# Altium PCB HBS V1.0.PcbDoc (part 2 of 4)
Units mil, origin at the board's own origin, x right, y up, seen from the top; angles counter-clockwise.
Board outline 5405 x 4190 mil, 4 copper layers (Top Layer, Internal Plane 1, Internal Plane 2, Bottom Layer), stack 18.2 mil thick; 428 components, 294 nets, 1249 pads, 155 vias.
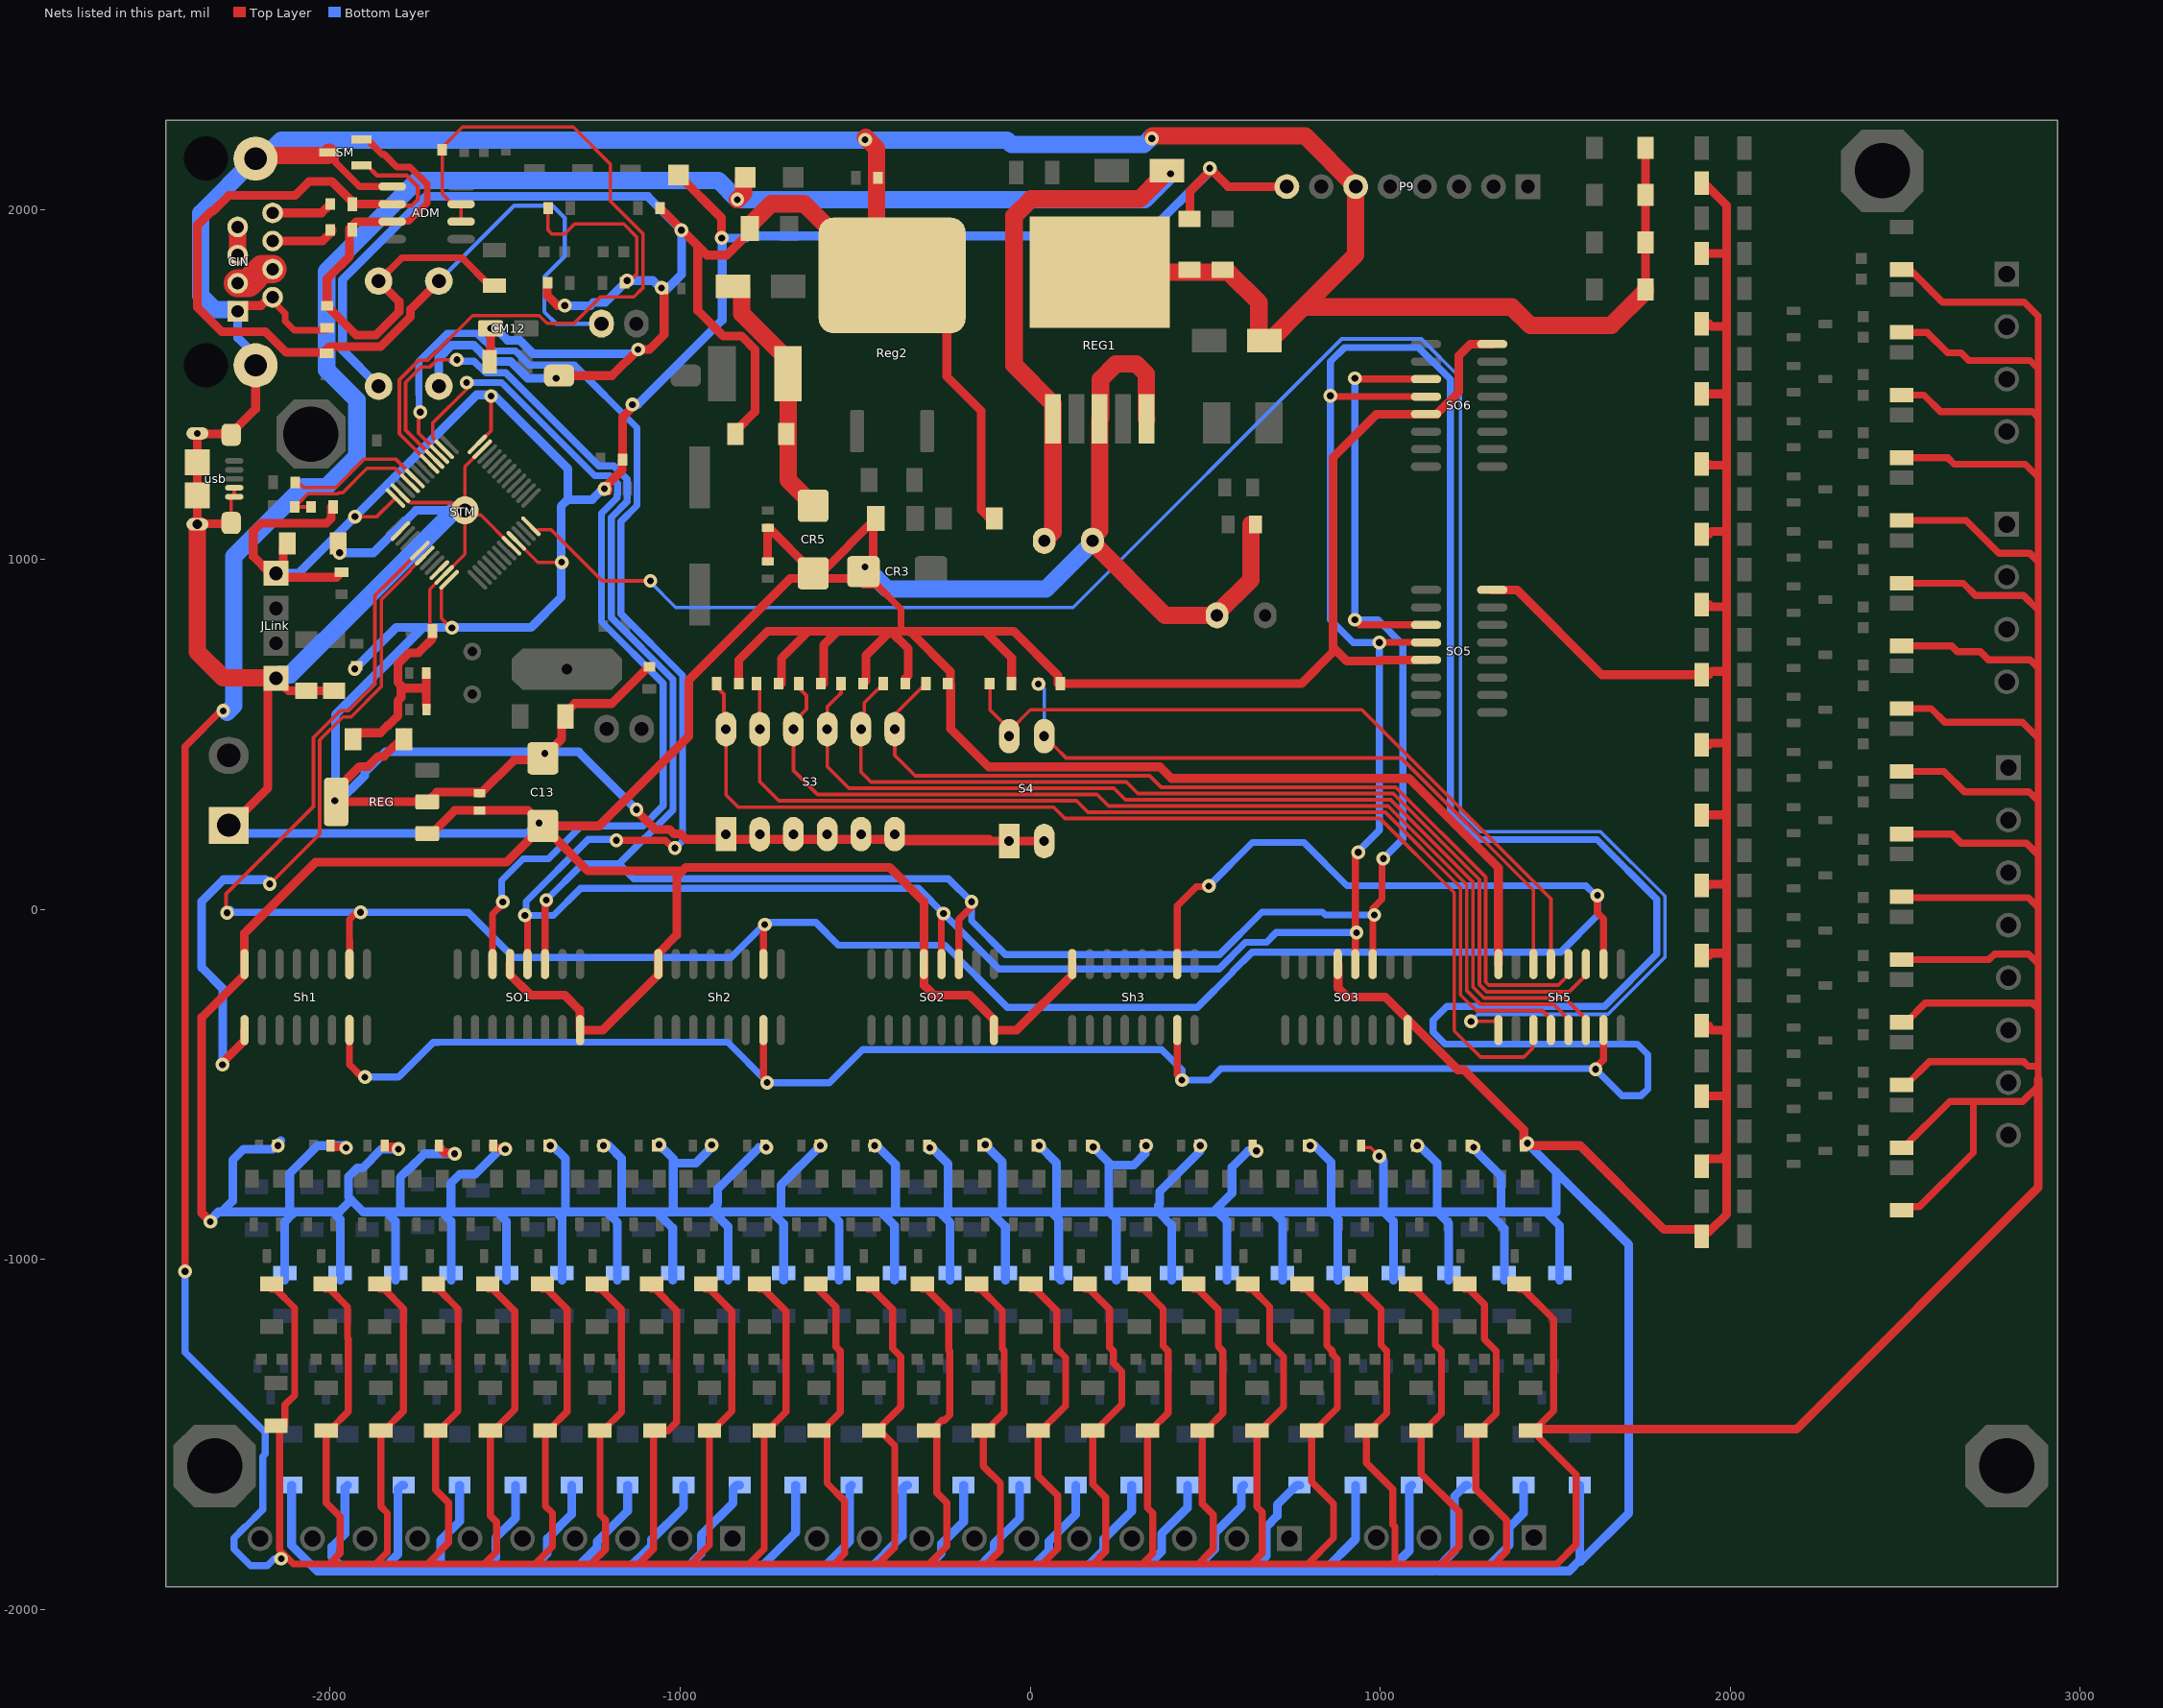
[diagram p4: the nets of this part, all layers, seen from the top]

## Via types
v1: diameter 39.37, hole 19.68, Top Layer to Bottom Layer, 154 vias
v2: diameter 78.74, hole 39.37, Top Layer to Bottom Layer, 1 vias

## Nets (pads, with @x,y where several pads share a name; then routed paths per layer and width w, separated by ;. In a path a pad name is that pad's centre, name@x,y a point inside that pad or via, vN(x,y) a via of type N, cw(c..) or ccw(c..) an arc to the next point about the centre after c; other vN are vias at no path point)
3.3v: 3.3V.1 C2.2 C13.1 DP2.1 DZ2.2 DZ10.2 DZ16.2 JLink.4 P9.8 R1.1 R3.1 R7.2 R15.1 R16.2 R30.1 REG.2 REG.4 S3.1 S3.2 S3.3 S3.4 S3.5 S3.6 S4.1 S4.2 STM.9 STM.24 STM.36 STM.48 | length 11088.1
  Top Layer w10: v1(-1929.47,1122.12) -1866.72,1122.12 STM.36@-1813.48,1175.37 ; STM.48@-1660.37,941.52 -1682.64,919.25 -1682.64,831.92 -1670.99,820.28 -1655.19,804.48 v1(-1652.34,804.48) ; STM.24@-1579.63,1328.48 -1540.58,1367.54 v1(-1540.58,1466.66) ; STM.9@-1468.28,1052.88 -1407.06,991.66 v1(-1338.52,991.66)
  Top Layer w25: DZ10.2@-2122.84,1045.49 -2133.96,1034.37 -2133.96,981.22 JLink.4@-2155,960.17 ; R7.2@-1996.68,1150 -1996.68,1117.66 -2010.72,1103.62 -2196.88,1103.62 -2220,1080.5 -2220,1008.79 -2171.38,960.17 JLink.4@-2155,960.17 ; R16.2@-1967.88,962.99 -1981.88,948.99 -2143.82,948.99 JLink.4@-2155,960.17 ; DZ2.2@-1787.16,504.51 -1787.16,496.63 -1846.79,437 -1862.91,437 -1892.07,407.84 -1916.7,407.84 -1982.89,341.65 REG.4@-1982.89,307.2 REG.2@-1723.04,307.2 -1713.89,316.36 -1695.25,335 -1576.26,335 C2.2@-1572.96,331.7 -1569.42,331.7 -1474.22,426.9 C13.1@-1396.98,426.9 ; C13.1@-1392.43,431.46 -1392.43,433.42 -1338.83,487.02 -1338.83,539.98 DP2.1@-1327.71,551.1 -1327.71,561.93 -1301.44,588.2 -1195.93,588.2 -1091.14,692.99 R30.1@-1088.19,692.99 ; R3.1@-1214.31,1206.73 -1165.69,1255.35 -1165.69,1284.31 R1.1@-1165,1285 -1165,1405.66 v1@-1135,1435.66 ; R3.1@-1205.61,1195.69 R3.1@-1205.61,1201.66 ; v1@-1126.63,283.37 -1071.08,227.82 -1029.79,227.82 -1017.35,215.37 -998.41,215.37 -983.03,200 -580,200 S3.6@-376.35,200 ; 3.3V.1@-1004.56,2098 -881.99,1975.43 -881.99,1918.57 v1(-881.66,1918.25) ; S3.6@-387.09,215 -387.09,210.73 S3.6@-376.35,200 ; -118.34,200 S3.6@-376.35,200 ; S4.2@40,195 S4.1@-60,195 -371.36,195 S3.6@-376.35,200 ; DZ16.2@455.03,1970 456.49,1971.46 456.49,2052.14 v1@517.35,2112.99 ; v1(513.01,2117.32) v1@517.35,2112.99 ; P9.8@733.15,2065 565.34,2065 v1@517.35,2112.99
  Bottom Layer w25: JLink.4@-2155,960.17 -2091.41,960.17 v1(-1929.47,1122.12) -1581.59,1470 -1532.36,1470 -1321.11,1258.75 -1321.11,1170.81 ; v1(-1930,687.04) -1811.37,805.67 -1735.21,805.67 ; v1(-1216.92,1201.66) -1220.81,1201.66 -1251.67,1170.81 -1321.11,1170.81 ; v1(-1136.66,1442.32) -1121.46,1442.32 -880,1683.78 v1@-880,1919.91 ; v1(-1125,285) -1290,450 -1842.54,450 -1900.73,391.81 -1900.73,383.27 -1985,298.99 -1985,555.88 -1735.21,805.67 ; v1(-881.66,1918.25) v1@-880,1919.91 ; v1@514.35,2110 328.35,1924 -806.89,1924 -812.64,1918.25 -878.34,1918.25 v1@-880,1919.91 ; -1735.21,805.67 -1426.26,805.67 -1340.37,891.56 -1340.37,1151.55 -1321.11,1170.81
  other v1: -1986.66,310.66 -1386.66,445.76
8V: CR5.1 DM2.1 DZ20.2 L5.2@-691.78,1530 | length 730.9
  Top Layer w50: DM2.1@-848.74,1780 -832.99,1780 -824.53,1771.54 -824.53,1702.11 -691.78,1569.37 L5.2@-691.78,1530 -691.78,1226.81 -620,1155.02 CR5.1@-620,1153.05
8V_IN: CIN.5 CIN.7 | length 80.3
  Top Layer w50: CIN.5@-2264.45,1869.41 CIN.7@-2264.45,1949.72
24V: 24V.1 CM20.1 DM6.2 REG1.1 RH1.2 RH2.2 RH3.2 RH4.2 RH5.2 RH6.2 RH7.2 RH8.2 RH9.2 RH10.2 RH11.2 RH12.2 RH13.2 RH14.2 RH15.2 RH16.2 RJ1.2 RJ2.2 RJ3.2 RJ4.2 RJ5.2 RJ6.2 RJ7.2 RJ8.2 RJ9.2 RJ10.2 RJ11.2 RJ12.2 RJ13.2 RJ14.2 RJ15.2 RJ16.2 RJ17.2 RJ18.2 RJ19.2 RJ20.2 RJ21.2 RJ22.2 RJ23.2 RJ24.2 RR1.1 RR2.1 RR3.1 RR4.1 RR5.1 RR6.1 RR7.1 RR8.1 RR9.1 RR10.1 RR11.1 RR12.1 RR13.1 RR14.1 RR15.1 RR16.1 RR17.1 RR18.1 RR19.1 RR20.1 RR21.1 RR22.1 RR23.1 RR24.1 | length 44396.9
  Top Layer w20: v1@-2415,-1040.28 -2415,465 v1@-2305,575 ; RR1.1@-2168.68,-1084.92 -2155.88,-1084.92 -2101.5,-1139.3 -2101.5,-1388.07 -2129.38,-1415.95 -2129.38,-1471.38 -2140.05,-1482.05 -2144.42,-1482.05 -2144.42,-1830.58 -2105,-1870 -2002.08,-1870 ; RR2.1@-2013.68,-1084.92 -2000.88,-1084.92 -1950.37,-1135.43 -1950.37,-1225 -1948.21,-1227.16 -1948.21,-1434.55 -1998.66,-1485 -2011.46,-1485 RJ2.2@-2011.46,-1489.37 -2011.46,-1695.16 -1971.61,-1735 -1971.61,-1839.53 -2002.08,-1870 ; RR3.1@-1858.68,-1084.92 -1845.88,-1084.92 -1790.37,-1140.43 -1790.37,-1433.14 -1842.23,-1485 -1855.03,-1485 RJ3.2@-1855.03,-1489.37 -1855.03,-1706.47 -1836.5,-1725 -1836.5,-1836.5 -1870,-1870 ; RR4.1@-1703.68,-1084.92 -1690.88,-1084.92 -1635,-1140.81 -1635,-1434.2 -1685.8,-1485 -1698.6,-1485 RJ4.2@-1698.6,-1489.37 -1698.6,-1658.02 -1661.61,-1695 -1661.61,-1809.29 -1722.32,-1870 ; RR5.1@-1548.68,-1084.92 -1535.88,-1084.92 -1472.89,-1147.91 -1472.89,-1428.52 -1529.37,-1485 -1542.17,-1485 RJ5.2@-1542.17,-1489.37 -1542.17,-1732.61 -1524.78,-1750 -1524.78,-1834.78 -1560,-1870 ; RR6.1@-1393.68,-1084.92 -1380.88,-1084.92 -1322.89,-1142.91 -1322.89,-1434.95 -1372.94,-1485 -1385.74,-1485 RJ6.2@-1385.74,-1489.37 -1385.74,-1704.26 -1365,-1725 -1365,-1820 -1415,-1870 ; RR7.1@-1238.68,-1084.92 -1225.88,-1084.92 -1167.87,-1142.93 -1167.87,-1261.37 -1167.39,-1261.85 -1167.39,-1435.88 -1216.51,-1485 -1229.31,-1485 RJ7.2@-1229.31,-1489.37 -1229.31,-1728.83 -1213.13,-1745 -1213.13,-1828.13 -1255,-1870 ; RR8.1@-1083.68,-1084.92 -1070.88,-1084.92 -1010,-1145.81 -1010,-1465 -1035,-1490 -1067.88,-1490 -1072.88,-1485 -1075.94,-1488.07 -1075.94,-1827.08 -1118.86,-1870 ; RR9.1@-928.68,-1084.92 -915.88,-1084.92 -852.89,-1147.91 -852.89,-1434.24 -903.65,-1485 -916.45,-1485 RJ9.2@-916.45,-1489.37 -916.45,-1816.45 -970,-1870 ; RR10.1@-773.68,-1084.92 -760.88,-1084.92 -697.89,-1147.91 -697.89,-1435.67 -747.22,-1485 -760.02,-1485 RJ10.2@-760.02,-1489.37 -760.02,-1826.97 -803.05,-1870 ; RR11.1@-596.52,-1084.92 -605.88,-1084.92 -555.21,-1135.59 -555.21,-1249.37 -542.74,-1261.85 -542.74,-1436.95 -590.79,-1485 -580.12,-1495.67 -580.12,-1639.88 -530,-1690 -530,-1840 -560,-1870 ; RR12.1@-463.68,-1084.92 -450.88,-1084.92 -392.87,-1142.93 -392.87,-1254.64 -370,-1277.51 -370,-1420.64 -434.36,-1485 -387.06,-1532.31 -387.06,-1822.9 -434.15,-1870 ; RR13.1@-308.68,-1084.92 -295.88,-1084.92 -232.89,-1147.91 -232.89,-1259.37 -230,-1262.26 -230,-1445 -244.14,-1459.14 -252.07,-1459.14 -277.93,-1485 -267.26,-1495.67 -267.26,-1666.68 -238.28,-1695.65 -238.28,-1819.29 -288.99,-1870 ; RR14.1@-153.68,-1084.92 -140.88,-1084.92 -80,-1145.81 -80,-1255.19 -74.25,-1260.93 -74.25,-1437.75 -121.5,-1485 -134.3,-1485 RJ14.2@-134.3,-1489.37 -134.3,-1590.7 -85,-1640 -85,-1831 -124,-1870 ; RR15.1@1.32,-1084.92 14.12,-1084.92 76.17,-1146.97 76.17,-1255.19 101.38,-1280.4 101.38,-1418.55 34.93,-1485 22.13,-1485 RJ15.2@22.13,-1489.37 22.13,-1618.37 78.76,-1675 78.76,-1826.24 35,-1870 ; RR16.1@156.32,-1084.92 169.12,-1084.92 227.11,-1142.91 227.11,-1250.88 238.08,-1261.85 238.08,-1296.27 261.8,-1320 261.8,-1414.55 191.36,-1485 178.56,-1485 RJ16.2@178.56,-1489.37 178.56,-1642.6 215.96,-1680 215.96,-1834.04 180,-1870 ; RR17.1@311.32,-1084.92 324.12,-1084.92 379.63,-1140.43 379.63,-1247.23 394.24,-1261.85 394.24,-1438.55 347.79,-1485 334.99,-1485 RJ17.2@334.99,-1489.37 334.99,-1709.99 350,-1725 350,-1840 320,-1870 ; RR18.1@466.32,-1084.92 479.12,-1084.92 537.11,-1142.91 537.11,-1248.55 550.4,-1261.85 550.4,-1438.81 504.22,-1485 491.42,-1485 RJ18.2@491.42,-1489.37 491.42,-1698.32 523.1,-1730 523.1,-1826.9 480,-1870 ; RR19.1@621.32,-1084.92 634.12,-1084.92 684.25,-1135.06 684.25,-1238.62 723.72,-1278.09 723.72,-1421.93 660.65,-1485 647.85,-1485 RJ19.2@647.85,-1489.37 647.85,-1706.91 663.01,-1722.07 663.01,-1839.24 632.26,-1870 ; RR20.1@776.32,-1084.92 789.12,-1084.92 847.11,-1142.91 847.11,-1246.23 862.73,-1261.85 862.73,-1270.25 877.48,-1285 877.48,-1424.59 817.08,-1485 804.28,-1485 RJ20.2@804.28,-1489.37 804.28,-1635.96 866.64,-1698.32 866.64,-1796.12 792.76,-1870 ; RR21.1@931.32,-1084.92 944.12,-1084.92 1002.11,-1142.91 1002.11,-1245.06 1018.89,-1261.85 1018.89,-1439.61 973.51,-1485 960.71,-1485 RJ21.2@960.71,-1489.37 960.71,-1581.85 1036.14,-1657.27 1036.14,-1756.81 1042.35,-1763.03 1042.35,-1862.56 1034.91,-1870 ; RR22.1@1086.32,-1084.92 1099.12,-1084.92 1157.11,-1142.91 1157.11,-1243.9 1175.06,-1261.85 1175.06,-1439.88 1129.94,-1485 1117.14,-1485 RJ22.2@1117.14,-1489.37 1117.14,-1612.14 1225,-1720 1225,-1820 1175,-1870 ; RR23.1@1241.32,-1084.92 1254.12,-1084.92 1297.77,-1128.58 1297.77,-1228.4 1331.22,-1261.85 1331.22,-1440.14 1286.37,-1485 1273.57,-1485 RJ23.2@1273.57,-1489.37 1273.57,-1657.27 1361.3,-1745 1361.3,-1833.7 1325,-1870 ; RR24.1@1396.32,-1084.92 1409.12,-1084.92 1495,-1170.81 1495,-1432.8 1453.46,-1474.33 1453.46,-1485 1453.46,-1508.46 1560,-1615 1560,-1815 1505,-1870 1325,-1870 ; RH1.2@2490,-860 2502.8,-860 2513.46,-849.33 2540.36,-849.33 2695,-694.7 2695,-548.81 ; RH2.2@2490,-680.8 2495.3,-680.8 2627.29,-548.81 2695,-548.81 ; RH3.2@2490,-501.61 2502.8,-501.61 2569.4,-435 2838.12,-435 2851.1,-447.98 2880,-447.98 ; RH4.2@2490,-322.41 2502.8,-322.41 2557.21,-268 2863,-268 2880,-285 ; RH5.2@2490,-143.21 2739.33,-143.21 2755,-127.55 2852.55,-127.55 2880,-155 ; RH6.2@2490,35.98 2492.45,33.53 2851.47,33.53 2880,5 ; RH7.2@2490,215.18 2633.52,215.18 2660,188.71 2846.29,188.71 2880,155 ; RH8.2@2490,394.38 2610.62,394.38 2669,336 2854,336 2880,310 ; RH9.2@2490,573.57 2574.27,573.57 2612.84,535 2834.5,535 2880,489.5 ; RH10.2@2490,752.77 2632.07,752.77 2648.55,736.28 2715,736.28 2738.14,713.14 2856.86,713.14 2880,690 ; RH11.2@2490,931.97 2665.99,931.97 2701.27,896.69 2838.31,896.69 2880,855 ; RH12.2@2490,1111.16 2673.84,1111.16 2767.44,1017.56 2855.55,1017.56 2880,993.11 ; RH13.2@2490,1290.36 2621.64,1290.36 2640,1272 2843,1272 2880,1235 ; RH14.2@2490,1469.56 2490.2,1469.36 2553.46,1469.36 2601.12,1421.71 2863.29,1421.71 2880,1405 ; RH15.2@2490,1648.75 2562.39,1648.75 2621.15,1590 2660,1590 2681.69,1568.31 2856.69,1568.31 2880,1545 ; RH16.2@2490,1838.9 2502.8,1838.9 2606.7,1735 2840,1735 2880,1695 2880,1545 ; 2880,-504.55 2835.74,-548.81 2695,-548.81 ; 2880,-485 2880,-447.98 ; -2002.08,-1870 -1870,-1870 ; -1870,-1870 -1722.32,-1870 ; -1722.32,-1870 -1560,-1870 ; -1560,-1870 -1415,-1870 ; -1415,-1870 -1255,-1870 ; -1255,-1870 -1118.86,-1870 ; -1118.86,-1870 -970,-1870 ; -970,-1870 -803.05,-1870 ; -803.05,-1870 -560,-1870 ; -560,-1870 -434.15,-1870 ; -434.15,-1870 -288.99,-1870 ; -288.99,-1870 -124,-1870 ; -124,-1870 35,-1870 ; 35,-1870 180,-1870 ; 180,-1870 320,-1870 ; 320,-1870 480,-1870 ; 480,-1870 632.26,-1870 ; 632.26,-1870 792.76,-1870 ; 792.76,-1870 1034.91,-1870 ; 1034.91,-1870 1175,-1870 ; 1175,-1870 1325,-1870 ; 2880,-447.98 2880,-285 ; 2880,-285 2880,-155 ; 2880,-155 2880,5 ; 2880,5 2880,155 ; 2880,155 2880,310 ; 2880,310 2880,489.5 ; 2880,489.5 2880,690 ; 2880,690 2880,855 ; 2880,855 2880,993.11 ; 2880,993.11 2880,1235 ; 2880,1235 2880,1405 ; 2880,1405 2880,1545
  Top Layer w25: RJ24.2@1430,-1485 1453.46,-1485 2188.9,-1485 2880,-793.9 2880,-504.55 2880,-485
  Top Layer w50: v1(-836.66,2027.82) -819.01,2045.48 -819.01,2086.6 24V.1@-814.48,2091.13 ; CM20.1@40,1052.88 64.69,1077.57 REG1.1@64.69,1401.06 64.69,1444.57 -45.89,1555.14 -45.89,1981.66 2.02,2029.57 311.99,2029.57 DM6.2@375.14,2092.72
  Bottom Layer w20: v1@-2415,-1030 -2415,-1265.24 -2185.83,-1494.42 -2185.83,-1556.36 -2192.53,-1563.06 -2192.53,-1714.3 -2244.1,-1765.88 ; -2244.53,-1765.44 -2275,-1795.91 -2275,-1827.64 -2227.64,-1875 -2179.67,-1875 -2159.67,-1855 v1(-2140,-1855)
  Bottom Layer w50: v1@-2294.93,562.78 -2275.37,582.33 -2275.37,1008.79 -2076.61,1207.56 -2011.34,1207.56 -1923.7,1295.2 -1923.7,1454.88 -2010.37,1541.55 -2010.37,1823.21 -1751.46,2082.13 -890.96,2082.13 v1(-836.66,2027.82) 327.2,2027.82 v1(401.04,2101.66)
  other v1: -2414.79,-1034.24 -2305.92,567.33
24V_IN: CIN.3 CIN.4 | length 116.6
  Top Layer w80: CIN.3@-2264.45,1789.09 -2234.53,1789.09 -2194.37,1829.25 CIN.4@-2164.45,1829.25
485+_Comm: ADM.6 JP1.2 RT2.2 RT4.2 RV2.2 SM.1 | length 2951.3
  Top Layer w12: SM.1@-1910.94,2125.31 -1894.21,2125.31 -1865.94,2097.05 -1781.92,2097.05 -1750,2065.13 -1750,2027.77 -1767.77,2010 -1817.89,2010 ADM.6@-1822.89,2015
  Top Layer w25: ADM.6@-1822.89,2015 RT4.2@-1936.72,2015 -1936.72,2020.91 -1995.81,2080 -2060,2080 -2100.22,2039.78 -2290.41,2039.78 -2335.87,1994.33 -2340,1994.33 -2379.5,1954.83 -2379.5,1720 -2309.5,1650 -2184.66,1650 -2126.37,1591.71 -2018.54,1591.71 -2001.89,1608.37 -1855.59,1608.37 -1770.33,1693.63 -1770.33,1714.39 RV2.2@-1689.71,1795.02
  Bottom Layer w12: RV2.2@-1689.71,1795.02 -1474.35,2010.38 -1365.06,2010.38 -1330,1975.31 -1330,1865.76 -1388.04,1807.72 -1388.04,1706.96 -1354.55,1673.48 JP1.2@-1225,1673.48
485-_Comm: ADM.7 RM1.1 RT1.1 RT3.2 RV1.2 SM.2 | length 1564.9
  Top Layer w20: SM.2@-1910.94,2200.12 -1894.21,2200.12 -1851.5,2157.4 -1846,2157.4 -1809.52,2120.92 -1772.03,2120.92 -1723.04,2071.93 -1723.04,2018.23 -1775.58,1965.69 -1822.2,1965.69 ADM.7@-1822.89,1965 ; RV1.2@-1861.66,1795 -1795.17,1861.49 -1623.33,1861.49 -1543.61,1781.77 RM1.1@-1530.81,1781.77
  Top Layer w25: RV1.2@-1861.66,1795 -1803.21,1736.55 -1803.21,1707.24 -1869.21,1641.24 -1926.01,1641.24 RT1.1@-2008.68,1723.91 -2008.68,1801.88 -1945,1865.56 -1945,1941.55 -1945,1945.09 -1925.09,1965 ADM.7@-1822.89,1965
A11: R5.1 STM.32 | length 410.3
  Top Layer w10: R5.1@-2101.01,1230.65 -2075.92,1205.56 -1984.44,1205.56 -1903.28,1286.72 -1813.48,1286.72 STM.32@-1757.8,1231.04
A12: R6.1 R7.1 STM.33 | length 451
  Top Layer w10: R7.1@-2045.67,1150 R6.1@-2101.01,1150 -2101.01,1154.92 -2094.2,1161.73 -2089.28,1161.73 -2063.32,1187.69 -1977.04,1187.69 -1974.39,1190.33 -1964.53,1190.33 -1894.63,1260.23 -1814.82,1260.23 STM.33@-1771.72,1217.12
ChA: CIN.8 RT4.1 | length 177.2
  Top Layer w25: CIN.8@-2164.45,1989.88 -2024.83,1989.88 -2003.94,2010.77 -2000.4,2010.77 -1999.71,2011.46 RT4.1@-1999.71,2015
ChB: CIN.6 RT3.1 | length 185.8
  Top Layer w25: CIN.6@-2164.45,1909.57 -2022.43,1909.57 -1993.99,1938 RT3.1@-1993.99,1941.55
"Clock Pin2": SO1.11 SO2.11 SO3.11 SO5.11 SO6.11 STM.28 | length 7498.5
  Top Layer w10: STM.28@-1702.12,1286.72 -1784.71,1369.31 -1784.71,1505.63 -1740.34,1550 -1714.81,1550 -1694.81,1570 -1654.69,1570 v1@-1652.34,1567.66
  Top Layer w20: SO1.11@-1386.23,-156.02 -1386.23,8.77 v1@-1375,20 ; SO2.11@-203.73,-156.02 -203.73,-28.73 v1@-160,15 ; v1@925,1516.62 926.62,1515 SO6.11@1131.02,1515 ; v1@930,823.78 941,812.78 SO5.11@1131.02,812.78 ; SO3.11@978.77,-156.02 978.77,2.81 1005.32,29.36 1005.32,141.41 v1(1008.91,145)
  Bottom Layer w20: v1@-1652.34,1567.66 v1@-1638.1,1567.66 ; v1(-1638.1,1570) -1634.39,1566.29 -1589.15,1566.29 -1555.73,1532.87 -1498.58,1532.87 -1232.8,1267.09 -1189.82,1267.09 -1151.49,1228.76 -1151.49,1174.56 -1152.55,1173.5 -1152.55,1166.48 -1151.49,1165.42 -1197.13,1119.79 -1197.13,833.36 -1020.88,657.11 -1020.88,284.12 -1175,130 ; v1(-1382.67,26.66) -1279.33,130 -1175,130 ; v1(927.68,1517.32) v1(927.68,827.32) 993.17,827.32 1065,755.49 1065,201.09 v1(1008.91,145) ; v1(983.02,-15.93) 843.2,-15.93 835,-7.74 662.28,-7.74 540.72,-129.3 -70.95,-129.3 -167.67,-32.58 v1(-167.67,21.66) -233.88,87.87 -1132.87,87.87 -1175,130
ClockEn: Sh1.15 Sh2.15 Sh3.15 Sh5.15 SO1.12 SO2.12 SO3.12 SO5.12 SO6.12 STM.27 | length 16431.8
  Top Layer w10: v1(-1742.88,1420.86) -1747.56,1416.18 -1747.56,1360 STM.27@-1688.21,1300.64
  Top Layer w20: Sh1.15@-1945,-345 -1945,-443.38 v1@-1908.38,-480 ; SO1.12@-1436.23,-156.02 v1@-1436.23,-23.77 ; v1(-1182.5,197.44) -1042.37,197.44 -1020.24,175.32 v1(-1015,175.32) ; v1@-762.5,-478.92 Sh2.15@-762.5,-345 ; SO2.12@-253.73,-156.02 v1@-253.73,-13.73 ; Sh3.15@420,-345 420,-473.34 v1@433.9,-487.24 ; v1@855,1465 SO6.12@1131.02,1465 ; SO3.12@928.77,-156.02 928.77,162.39 v1@935,168.62 ; v1@1002.18,762.78 SO5.12@1131.02,762.78 ; v1(1615.5,-456.98) 1615.5,-451.74 1637.74,-429.49 Sh5.15@1637.74,-345
  Bottom Layer w20: v1(-1900.7,-479.11) -1804.85,-479.11 -1705.74,-380 -1691.5,-380 -1691.13,-379.63 -864.27,-379.63 v1@-750.28,-493.62 ; v1(-1742.88,1420.86) -1746.2,1424.18 -1746.2,1470.55 -1746.95,1471.31 -1746.95,1565.17 -1666.3,1645.83 -1581.11,1645.83 -1530.81,1595.53 -1471.11,1595.53 -1430.46,1554.88 -1302.34,1554.88 -1123.62,1376.16 -1123.62,1153.88 -1169.25,1108.24 -1169.25,844.9 -993,668.66 -993,195.35 -1014.02,174.34 v1(-1015,175.32) ; v1@-1185.18,200.12 -1262.33,200.12 -1440.19,22.25 -1440.19,-13.4 v1(-1443.9,-17.11) -1362.11,-17.11 -1285,60 -319.35,60 v1(-247.67,-11.68) -89.35,-170 539.43,-170 615.18,-94.25 675,-94.25 702.96,-66.29 v1(932.48,-66.29) ; v1(-751.66,-495) -573.48,-495 -478.97,-400.49 375.49,-400.49 433.9,-458.9 433.9,-487.24 v1(433.47,-487.68) 512.63,-487.68 545.31,-455 1607.63,-455 v1@1620,-467.37 ; v1(937.33,162.8) 937.33,165.6 997.68,225.95 v1(997.68,762.32) 922.68,762.32 857.68,827.32 v1(857.68,1467.32) 857.68,1565.5 897.06,1604.88 1110.18,1604.88 1200.43,1514.63 1200.43,275.89 1277.04,199.28 1619.77,199.28 1790.37,28.68 1790.37,-127.3 1640.55,-277.13 1190.42,-277.13 1151,-316.55 1151,-350.43 1185.31,-384.74 1734.63,-384.74 1765,-415.12 1765,-512.82 1745.32,-532.5 1691.02,-532.5 v1(1615.5,-456.98)
ClockPin: Sh1.2 Sh2.2 Sh3.2 Sh5.2 STM.42 | length 7597.9
  Top Layer w10: v1@-2297.6,-7.1 -2297.6,44.61 -2048.08,294.13 -2048.08,491 -1971.21,567.87 -1947.73,567.87 -1872.18,643.42 -1872.18,896.74 -1830,938.92 STM.42@-1743.88,1025.04
  Top Layer w20: -1944.31,-88.51 -1944.31,-155.33 Sh1.2@-1945,-156.02 -1945,-28.9 v1@-1921.1,-5 ; Sh2.2@-762.5,-156.02 v1@-762.5,-38.81 ; Sh3.2@420,-156.02 420,10 475,65 v1@504.23,65 ; v1(1620.5,40.06) 1620.5,-9.62 1637.74,-26.87 Sh5.2@1637.74,-156.02
  Bottom Layer w20: v1@-2286.12,0 -2277.79,-8.34 v1(-1913.12,-8.34) -1605.6,-8.34 -1476.81,-137.13 -854.7,-137.13 -754.73,-37.16 -612.84,-37.16 -547.87,-102.13 -243.13,-102.13 -65,-280.26 477.45,-280.26 578.63,-179.08 578.63,-177.41 633.91,-122.13 1515.81,-122.13 1620.5,-17.43 v1(1620.5,40.06) v1@1615.86,40.06 ; v1(510.34,66.66) 634.8,191.13 781.91,191.13 905.16,67.87 1587.45,67.87 1615.26,40.06 v1@1615.86,40.06 ; v1@1618.18,37.74 v1@1615.86,40.06
  other v1: -758.41,-43.34 -2294.93,-9.77
CS485_Comm: ADM.2 ADM.3 R'16.1 STM.29 | length 2288.6
  Top Layer w10: STM.29@-1716.04,1272.8 -1802.58,1359.34 -1802.58,1513.03 -1746.37,1569.25 -1720.83,1569.25 -1593.59,1696.5 -1402.5,1696.5 -1380.57,1674.57 -1303.3,1674.57 -1227.87,1750 -1132.13,1750 -1106.73,1775.4 -1106.73,1930.7 -1200,2023.97 -1200,2130 -1305,2235 -1621.9,2235 -1680,2176.9 -1680,2043.79 -1651.21,2015 ADM.3@-1626.04,2015 ADM.2@-1626.04,1965
D0: STM.46
D6: STM.38
D24: R44.2 S3.12 Sh5.11 | length 3258.5
  Top Layer w10: R44.2@-890.26,636.03 -890.26,630 -875.33,615.07 -875.33,520.96 S3.12@-869.37,515 -869.37,326.77 -835,292.4 65.99,292.4 98.87,259.53 999.86,259.53 1211.79,47.6 1211.79,-346.87 1286.77,-421.85 1410.45,-421.85 1435.14,-397.16 1435.14,-347.61 Sh5.11@1437.74,-345 Sh5.11@1437.74,-313.5
D25: R45.2 S3.11 Sh5.12 | length 3036.7
  Top Layer w10: R45.2@-782.45,645 -772.91,635.46 S3.11@-772.91,515 -772.91,365.12 -718.07,310.28 131.93,310.28 164.81,277.4 1014.81,277.4 1229.67,62.55 1229.67,-244 1274.49,-288.82 1463.06,-288.82 1487.74,-313.5 Sh5.12@1487.74,-345
D26: R46.2 S3.10 Sh5.13 | length 2973.5
  Top Layer w10: R46.2@-658.45,630 -639.27,610.82 -639.27,571.87 -676.46,534.68 S3.10@-676.46,515 -676.46,397.05 -607.56,328.15 190.89,328.15 223.77,295.28 1022.22,295.28 1247.54,69.95 1247.54,-232.54 1285.94,-270.95 1495.18,-270.95 1537.74,-313.5 Sh5.13@1537.74,-345
D27: R47.2 S3.9 Sh5.14 | length 2927.6
  Top Layer w10: R47.2@-540.43,645 -540.43,617.91 -552.11,606.24 -552.97,606.24 -580,579.21 S3.9@-580,515 -580,407.76 -518.27,346.03 239.24,346.03 272.11,313.15 1029.62,313.15 1265.42,77.36 1265.42,-222.13 1296.36,-253.07 1527.31,-253.07 1587.74,-313.5 Sh5.14@1587.74,-345
D28: R48.2 S3.8 Sh5.3 | length 2823.7
  Top Layer w10: R48.2@-428.89,635.54 -474.16,590.27 -474.16,524.39 S3.8@-483.54,515 -483.54,392.46 -454.98,363.9 274.58,363.9 307.46,331.03 1037.02,331.03 1283.29,84.76 1283.29,-214.72 1303.76,-235.2 1540.07,-235.2 1587.74,-187.52 Sh5.3@1587.74,-156.02
D29: R49.2 S3.7 Sh5.4 | length 2643.6
  Top Layer w10: R49.2@-307.88,635.54 -387.09,556.33 S3.7@-387.09,515 -387.09,440.29 -328.57,381.77 341.49,381.77 374.36,348.9 1044.43,348.9 1301.16,92.16 1301.16,-207.32 1310,-216.16 1509.11,-216.16 1537.74,-187.52 Sh5.4@1537.74,-156.02
D30: R50.1 S4.4 Sh5.5 | length 2142.3
  Top Layer w10: R50.1@-115,632.13 -115,569.68 -60,514.68 S4.4@-60,509.36 ; S4.4@-60,495 S4.4@-60,509.36 ; Sh5.5@1487.74,-156.02 1487.74,29.75 947.49,570 0.64,570 S4.4@-60,509.36
D31: R51.1 S4.3 Sh5.6 | length 1950.5
  Top Layer w10: S4.3@40,495 40,488.59 62.66,465.93 69.07,465.93 102.48,432.52 1059.69,432.52 1437.74,54.47 Sh5.6@1437.74,-156.02
  Bottom Layer w10: v1@25.51,645 40,630.51 S4.3@40,495
  other v1: 23.34,643.56
"Data Pin2": SO1.14 STM.26 | length 2608.4
  Top Layer w10: STM.26@-1674.29,1314.56 -1674.29,1315.05 -1707.46,1348.23 -1707.46,1389.2 -1610,1486.66 v1(-1610,1505)
  Top Layer w20: SO1.14@-1536.23,-156.02 -1536.23,-13.26 -1506.9,16.07 v1(-1506.9,21.31)
  Bottom Layer w20: v1(-1610,1505) -1510.12,1505 -1244.35,1239.22 -1201.37,1239.22 -1179.36,1217.22 -1179.36,1186.1 -1180.42,1185.05 -1180.42,1175.91 -1225,1131.33 -1225,821.81 -1048.75,645.56 -1048.75,295.67 -1105.88,238.54 -1282.52,238.54 -1376.44,144.63 -1448.36,144.63 -1510.04,82.95 v1@-1510.04,21.31
DataPin: Sh5.9 STM.12 | length 5939
  Top Layer w10: STM.12@-1426.52,1094.63 -1411.53,1079.65 -1410.35,1079.65 -1405,1085 -1369.07,1085 -1222.85,938.78 v1(-1085,938.78) ; v1(1259.64,-320.01) 1331.45,-320.01 1337.74,-326.31 Sh5.9@1337.74,-345
  Bottom Layer w10: v1@-1085,935 -1012.78,862.78 122.61,862.78 889.82,1630 1117.41,1630 1229.67,1517.74 1229.67,279 1286.52,222.15 1629.25,222.15 1813.25,38.15 1813.25,-136.78 1650.03,-300 1278.87,-300 v1@1263.87,-315
DataPin2: Sh1.9 STM.43 | length 1967.3
  Top Layer w10: v1(-2172.88,72.32) -2030.21,214.99 -2030.21,483.6 -1963.81,550 -1940.32,550 -1854.3,636.02 -1854.3,884.73 -1770,969.03 -1770,971.08 STM.43@-1729.96,1011.12
  Top Layer w25: v1@-2310,-440.12 -2245,-375.12 Sh1.9@-2245,-345
  Bottom Layer w25: v1@-2307.32,-440.12 -2307.32,-225.9 -2367.13,-166.09 -2367.13,22.87 -2305,85 -2185.55,85 v1@-2175.55,75
  other v1: -2307.67,-443.46
GND: ADM.5 C2.1 C6.2 C7.2 C10.2 C13.2 C15.1 C16.1 CIN.1 CIN.2 CIN.9 CM12.2 CM13.2 CM20.2 CM21.2 CR1.2 CR2.2 CR3.2 CR5.2 CY1.1 CY2.1 CY3.1 CY4.1 CY5.1 CY6.1 CY7.1 CY8.1 CY9.1 CY10.1 CY11.1 CY12.1 CY13.1 CY14.1 CY15.1 CY16.1 CY17.1 CY18.1 CY19.1 CY20.1 CY21.1 CY22.1 CY23.1 CY24.1 DM3.1 DT1.1 DT2.1 DT3.1 DT4.1 DT5.1 DT6.1 DT7.1 DT8.1 DT9.1 DT10.1 DT11.1 DT12.1 DT13.1 DT14.1 DT15.1 DT16.1 DT17.1 DT18.1 DT19.1 DT20.1 DT21.1 DT22.1 DT23.1 DT24.1 DZ1.1 DZ2.1 DZ10.1 DZ11.1 DZ12.1 DZ13.1 DZ14.1 DZ15.1 DZ16.1 DZ17.1 DZ18.1 DZ20.1 JLink.1 P9.6 PO.1 R2.2 R44.1 R45.1 R46.1 R47.1 R48.1 R49.1 R50.2 R51.2 R60.1 R61.1 R80.1 R82.1 R83.1 REG1.3 REG1.5 REG1.6 Reg2.4 REG.1 RES.1 RN2.2 RT1.2 RV1.1 RV2.1 RX1.2 RX2.2 RX3.2 RX4.2 RX5.2 RX6.2 RX7.2 RX8.2 RX9.2 RX10.2 RX11.2 RX12.2 RX13.2 RX14.2 RX15.2 RX16.2 RX17.2 RX18.2 RX19.2 RX20.2 RX21.2 RX22.2 RX23.2 RX24.2 RX33.2 RX34.2 RX35.2 RX36.2 RX37.2 RX38.2 RX39.2 RX40.2 RX41.2 RX42.2 RX43.2 RX44.2 RX45.2 RX46.2 RX47.2 RX48.2 Sh1.8 Sh2.8 Sh3.8 Sh5.8 SM.3 SO1.8 SO1.13 SO2.8 SO2.13 SO3.8 SO3.13 SO5.8 SO5.13 SO6.8 SO6.13 STM.8 STM.23 STM.35 STM.47 usb.4 usb.5 usb.S | length 68623.4
  Top Layer w10: usb.S@-2283.04,1104.09 -2283.04,1176.24 -2280.38,1178.9 usb.5@-2274.18,1178.9 usb.4@-2274.18,1204.49 ; CIN.2@-2173.66,1748.94 CIN.2@-2164.45,1748.94 ; STM.35@-1799.56,1189.29 -1799.07,1189.29 -1771.94,1162.15 -1655.76,1162.15 -1633.6,1140 v2(-1615,1140) ; -1708.32,775 -1708.91,775.59 -1715,781.68 -1715,914.73 STM.47@-1674.29,955.44 -1615,1014.73 v2(-1615,1140) ; STM.23@-1565.71,1314.56 -1565.71,1314.07 -1615,1264.79 v2(-1615,1140) ; STM.8@-1482.2,1038.96 -1570.09,1126.85 -1601.85,1126.85 v2(-1615,1140) ; R82.1@-1377.45,2015 -1377.45,1940.32 -1366.59,1929.46 -1330.1,1929.46 -1301.49,1958.07 -1161.33,1958.07 -1124.61,1921.35 -1124.61,1815.16 R60.1@-1162.07,1777.7 ; CY21.1@944.12,-679.84 945.29,-678.67 CY21.1@945.29,-674.92 950.84,-680.47 972.65,-680.47 v1(997.18,-705)
  Top Layer w20: CIN.2@-2164.45,1748.94 -2164.45,1738.37 -2128.69,1702.61 -2128.69,1680.42 -2102.59,1654.32 RT1.2@-2008.68,1654.32 ; SM.3@-2003.46,2162.72 -1986.73,2162.72 -1984.92,2160.9 -1984.92,2133.66 -1916.26,2065 ADM.5@-1822.89,2065 ; CR3.2@-475.07,965 -440.86,930.79 -440.86,929.4 -369.19,857.73 -369.19,795
  Top Layer w25: v1(-2342.32,-892.53) -2367.13,-867.72 -2367.13,-308.27 -2245,-186.14 Sh1.8@-2245,-156.02 -2245,-68.08 -2041.92,135 -1495.97,135 -1426.19,204.78 -1424.22,204.78 -1392.43,236.58 -1360.64,204.78 -1358.67,204.78 -1263.88,110 -993.73,110 ; PO.1@-2290,240 -2285,240 -2177.87,347.13 -2177.87,637.3 JLink.1@-2155,660.17 ; usb.S@-2283.04,1104.09 -2285.01,1102.13 -2377.53,1102.13 usb.S@-2379.5,1100.16 usb.S@-2379.5,1182.83 usb.S@-2379.5,1277.32 usb.S@-2379.5,1360 -2377.53,1358.03 -2285.01,1358.03 usb.S@-2283.04,1356.06 -2283.04,1360 -2213.27,1429.77 CIN.9@-2213.27,1554.45 ; CIN.1@-2264.45,1708.78 -2248.05,1725.18 -2197.42,1725.18 CIN.2@-2173.66,1748.94 ; JLink.1@-2156.31,661.48 -2153.69,661.48 -2144.57,670.61 -2144.57,649.74 -2119.52,624.7 DZ17.1@-2069.01,624.7 DZ18.1@-1989.51,624.7 ; CY2.1@-1999.71,-674.92 -1999.71,-677.62 -1999.02,-678.31 -1957.54,-678.31 v1(-1954.79,-681.05) ; DZ10.1@-1977.16,1037.62 DZ10.1@-1977.16,1045.49 ; DZ2.1@-1932.84,504.51 -1856.63,504.51 -1836.13,525 -1834.73,525 -1821.34,538.4 -1821.09,538.4 -1806.44,553.04 -1806.44,595.96 -1797.5,604.9 -1797.5,632.2 ; CY3.1@-1844.71,-674.92 -1844.71,-678.46 -1844.02,-679.15 v1@-1815.89,-679.15 ; C15.1@-1725.5,675.45 -1725.25,675.2 -1725.25,632.2 ; C16.1@-1725,580 -1725.25,580.25 -1725.25,632.2 ; REG.1@-1723.04,216.65 -1710.25,216.65 -1644.19,282.71 -1434.63,282.71 C13.2@-1401.08,249.16 ; R2.2@-1707.46,795.75 -1707.46,777.03 -1708.91,775.59 -1708.91,772.7 -1748.34,733.26 -1774.04,733.26 -1806.68,700.62 -1806.68,648.89 -1797.5,639.7 -1797.5,632.2 ; CY4.1@-1689.71,-674.92 -1689.71,-678.46 -1672.59,-695.59 -1647.19,-695.59 v1(-1644.44,-698.34) ; CM13.2@-1545,1565 -1542.17,1567.83 v1(-1542.17,1660) ; CM13.2@-1542.17,1588.87 -1542.17,1601.66 ; CY5.1@-1534.71,-674.92 -1534.71,-678.46 -1534.02,-679.15 -1530.48,-679.15 -1527.38,-682.25 -1502.92,-682.25 v1(-1500.17,-685) ; SO1.13@-1486.23,-156.02 -1486.23,-186.14 -1427.37,-245 -1330,-245 -1286.92,-288.08 -1286.92,-344.31 SO1.8@-1286.23,-345 -1221.36,-345 -1062.5,-186.14 Sh2.8@-1062.5,-156.02 -1062.5,-125.91 -1010,-73.41 -1010,93.73 -993.73,110 ; C13.2@-1390.46,238.54 -1231.95,238.54 -975.49,495.01 -975.49,655.49 -685.97,945 -491.2,945 -475.6,929.4 CR3.2@-440.86,929.4 ; R61.1@-1379.07,1790 -1379.53,1789.54 -1379.53,1753.61 -1350.92,1725 v1(-1330,1725) ; RES.1@-1345.91,1525 -1195,1525 v1(-1120.5,1599.5) -1088.19,1599.5 -1046.01,1641.68 C10.2@-1046.01,1773.6 ; R83.1@-1057.45,2003.45 -995.55,1941.55 -954.01,1900 ; DZ20.1@-842.44,1358.03 -842.44,1365.91 -786.27,1422.08 -786.27,1599.69 -824.27,1637.69 -876.58,1637.69 -950,1711.1 -950,1895.99 -923.17,1869.17 -867.09,1869.17 -801.1,1935.16 CR1.2@-801.1,1945 ; R44.1@-832.3,645 -832.3,712.7 -750,795 -632.92,795 ; C6.2@-750,993.85 C7.2@-750,1090.5 -746.46,1090.5 -627.3,971.34 -586.81,971.34 CR2.2@-449.19,1108.96 ; R45.1@-711.29,645 -711.14,645.16 -711.14,716.78 -632.92,795 ; R46.1@-590.28,645 -590.28,754.72 -550,795 ; Reg2.4@-511.01,1869.17 Reg2.4@-446.84,1805 ; R47.1@-477.44,645 -469.27,653.17 -469.27,725 -399.27,795 ; CR3.2@-476.46,965 -449.19,992.26 CR2.2@-449.19,1108.96 ; CR2.2@-449.19,1139.41 CR2.2@-449.19,1108.96 ; CR2.2@-441.1,1117.05 CR2.2@-449.19,1108.96 ; Reg2.4@-394.47,1811.37 -388.53,1811.37 -238.22,1661.05 -238.22,1522.45 -139.63,1423.86 -139.63,1141.2 DZ1.1@-107.16,1108.74 ; -369.19,795 -399.27,795 ; -359.19,795 -130,795 ; R48.1@-356.44,660 -348.27,668.17 -348.27,743.99 -399.27,795 ; -340,791.11 -227.95,679.06 -227.95,645.69 -227.26,645 -227.26,515.85 -118.56,407.15 370.71,407.15 403.58,374.27 1082.06,374.27 1337.74,118.59 Sh5.8@1337.74,-156.02 ; R50.2@-53.14,645 -53.14,718.14 -130,795 ; Sh3.8@120,-156.02 120,-186.14 -38.86,-345 SO2.8@-103.73,-345 -103.73,-314.88 -173.61,-245 -275.44,-245 -303.04,-217.4 -303.04,-156.71 SO2.13@-303.73,-156.02 -303.73,21.73 -402,120 -983.73,120 -993.73,110 ; SO3.13@878.77,-156.02 879.46,-156.71 879.46,-224.09 905.37,-250 1013.89,-250 1222.21,-458.32 1238.61,-458.32 1410.29,-630 CY24.1@1410.29,-674.92 1571.54,-674.92 1811.38,-914.76 1932.01,-914.76 1938.9,-921.65 1990,-870.55 1990,-696.44 ; SO5.13@1131.02,712.78 1004.68,712.78 1001.23,709.33 905,709.33 865,749.33 ; SO5.8@1320,912.78 1390.37,912.78 1632.73,670.43 RX41.2@1919.06,670.43 1938.9,670.43 1938.9,671.83 1947.07,680 1990,680 ; SO6.8@1320,1615 1319.31,1614.31 1257.11,1614.31 1225,1582.21 1225,1478.86 1161.14,1415 990,1415 865,1290 865,749.33 ; DZ14.1@1757.84,1771.44 DZ13.1@1757.84,1906.13 DZ12.1@1757.84,2040.81 DZ11.1@1757.84,2175.49 ; RX34.2@1910.28,-740 RX34.2@1938.9,-711.38 ; RX48.2@1923.6,2077.2 1990,2010.8 1990,1874.09 ; RX35.2@1938.9,-533.23 1990,-533.23 ; RX36.2@1938.9,-332.62 1938.9,-336.83 1947.07,-345 1990,-345 ; RX37.2@1938.9,-132.01 1945.91,-125 1990,-125 ; RX38.2@1938.9,68.6 1942.62,72.32 1990,72.32 ; RX39.2@1938.9,269.21 1939.69,270 1990,270 ; RX40.2@1938.9,469.82 1944.08,475 1990,475 ; RX42.2@1938.9,871.04 1944.94,865 1990,865 ; RX43.2@1938.9,1071.65 1938.9,1071.83 1947.07,1080 1990,1080 ; RX44.2@1938.9,1272.26 1942.25,1268.9 1990,1268.9 ; RX45.2@1938.9,1472.87 1990,1472.87 ; RX46.2@1938.9,1673.48 1938.9,1673.17 1947.07,1665 1990,1665 ; RX47.2@1938.9,1874.09 1990,1874.09 ; 1947.07,-712.87 1973.56,-712.87 1990,-696.44 ; -1797.5,632.2 -1725.25,632.2 ; -632.92,795 -550,795 ; -550,795 -399.27,795 ; -130,795 -47.66,795 79.31,668.03 79.31,645.69 80,645 R51.2@85.83,645 775,645 865,735 865,749.33 ; 1990,-696.44 1990,-533.23 ; 1990,-533.23 1990,-345 ; 1990,-345 1990,-125 ; 1990,-125 1990,72.32 ; 1990,72.32 1990,270 ; 1990,270 1990,475 ; 1990,475 1990,680 ; 1990,680 1990,865 ; 1990,865 1990,1080 ; 1990,1080 1990,1268.9 ; 1990,1268.9 1990,1472.87 ; 1990,1472.87 1990,1665 ; 1990,1665 1990,1874.09
  Top Layer w50: usb.S@-2379.5,1100.16 -2379.5,735.98 -2305,661.48 JLink.1@-2156.31,661.48 ; CIN.1@-2268.98,1713.31 CIN.1@-2264.45,1708.78 ; CIN.9@-2213.27,2145 -2204.41,2153.86 -2007.01,2153.86 -2003.46,2157.4 SM.3@-2003.46,2162.72 ; JLink.1@-2155,660.17 JLink.1@-2153.69,661.48 ; CR1.2@-801.1,1945 -801.1,1954.84 -739.7,2016.24 -646.49,2016.24 -441.62,1811.37 Reg2.4@-394.47,1811.37 -439.09,1855.99 -439.09,2174.09 v1@-470,2205 ; REG1.6@198.55,1820.35 566.61,1820.35 653.5,1733.46 653.5,1633.46 661.97,1625 DM3.1@669.05,1625 684.79,1625 780.67,1720.87 ; REG1.5@332.41,1401.06 331.75,1401.72 331.75,1529.37 302.46,1558.66 244.61,1558.66 200.91,1514.97 200.91,1403.42 REG1.3@198.55,1401.06 198.55,1082.69 177.8,1061.93 CM20.2@177.8,1052.88 177.8,1047.88 385.67,840 CM21.2@533.58,840 533.58,845 630.3,941.71 RN2.2@630.3,1100.16 ; v1@350,2210 785,2210 P9.6@930,2065 930,1870.21 780.67,1720.87 ; DZ14.1@1757.84,1771.44 1757.84,1766.33 1659.86,1668.35 1428.57,1668.35 1376.04,1720.87 780.67,1720.87
  Bottom Layer w25: v1@-2345,-889.85 -2319.38,-864.23 -2310,-864.23 ; PO.1@-2290,240 -2267.13,217.13 -1434.79,217.13 v1@-1401.92,250 ; CIN.1@-2264.45,1708.78 -2264.45,1632.96 -2213.27,1581.78 CIN.9@-2213.27,1554.45 ; v1@-2140.66,-660.87 -2164.79,-685 -2247.4,-685 -2278.7,-716.3 -2278.7,-832.93 -2310,-864.23 ; RX1.2@-2129.77,-1058.9 -2129.77,-892.9 -2108.46,-871.59 ; DT1.1@-2110.28,-1644.78 -2110.28,-1816.99 -2037.27,-1890 -1955,-1890 ; v1(-1973.27,1018.86) -1876.54,1018.86 -1755.4,1140 -1645,1140 v2(-1615,1140) ; RX2.2@-1971.4,-1058.9 -1971.4,-885.37 -1992.53,-864.23 ; v1@-1955,-675 -2036.32,-675 -2115.82,-754.5 -2115.82,-864.23 ; DT2.1@-1950.28,-1644.78 -1958.16,-1652.65 -1958.16,-1784.25 -1995,-1821.09 -1995,-1850 -1955,-1890 ; RV1.1@-1861.66,1495 -1965,1598.34 -1965,1799.07 -1727.32,2036.75 -1092.46,2036.75 v1(-996.4,1940.69) -996.4,1813.71 v1@-1041.16,1768.95 ; RX3.2@-1813.03,-1058.9 -1813.03,-891.21 -1840,-864.23 ; v1(-1805,-685) -1853.84,-685 -1907.83,-738.99 -1923.18,-738.99 -1948.03,-763.84 -1948.03,-822.06 -1940.09,-830 ; DT3.1@-1790.28,-1644.78 -1795.28,-1644.78 -1806.4,-1655.9 -1806.4,-1842.21 -1854.19,-1890 ; RV2.1@-1689.71,1495.02 -1689.71,1575.04 -1652.49,1612.26 -1590.5,1612.26 -1543.4,1565.16 -1483.69,1565.16 -1435.86,1517.32 v1(-1354.57,1517.32) ; RX4.2@-1654.65,-1058.9 -1654.65,-891.12 -1681.55,-864.23 ; v1(-1644.44,-698.34) -1730.89,-698.34 -1775.27,-742.72 -1776.96,-742.72 -1800,-765.76 -1800,-864.23 ; DT4.1@-1630.28,-1644.78 -1630.28,-1748.53 -1684.64,-1802.88 -1684.64,-1859.64 -1715,-1890 ; v1@-1530,1662.34 -1493.57,1625.91 -1458.53,1625.91 -1419.75,1587.13 -1132.87,1587.13 v1(-1120.5,1599.5) ; v1(-1500.17,-685) -1514.12,-685 -1585.39,-756.27 -1629.11,-756.27 -1655,-782.16 -1655,-864.23 ; RX5.2@-1496.28,-1058.9 -1496.28,-891.56 -1523.62,-864.23 ; DT5.1@-1470.28,-1644.78 -1470.28,-1738.53 -1527.14,-1795.38 -1527.14,-1852.14 -1565,-1890 ; v1(-1371.04,-675) -1365,-675 -1327.65,-712.35 -1327.65,-864.23 ; RX6.2@-1337.91,-1058.9 -1337.91,-881.32 -1355,-864.23 ; v1(-1330,1725) -1256.79,1725 -1247.94,1733.85 -1214.24,1733.85 v1(-1151.66,1796.43) -1077.88,1796.43 -1057.06,1775.61 v1(-1053.17,1775.61) ; DT6.1@-1310.28,-1644.78 -1310.28,-1728.53 -1379.64,-1797.88 -1379.64,-1839.64 -1430,-1890 ; v1@-1204.23,-675 -1167.87,-711.36 -1167.87,-864.23 ; RX7.2@-1179.54,-1058.9 -1179.54,-894.69 -1210,-864.23 ; DT7.1@-1150.28,-1644.78 -1150.28,-1718.53 -1237.14,-1805.38 -1237.14,-1822.14 -1305,-1890 ; v1@-1047.41,-685 -1020,-712.41 -1020,-725 ; RX8.2@-1021.17,-1058.9 -1021.17,-910.34 -1067.28,-864.23 ; DT8.1@-990.28,-1644.78 -990.28,-1708.53 -1082.14,-1800.38 -1082.14,-1817.14 -1155,-1890 ; v1@-906.81,-676.53 -955.28,-725 -1020,-725 ; RX9.2@-862.8,-1058.9 -862.8,-906.43 -905,-864.23 ; DT9.1@-830.28,-1644.78 -838.16,-1644.78 -849.28,-1655.9 -849.28,-1696.77 -940,-1787.48 -940,-1840 -990,-1890 ; v1(-754.21,-680) -774.87,-680 -892.94,-798.07 -892.94,-841.9 -905,-853.97 -905,-864.23 ; RX10.2@-704.43,-1058.9 -704.43,-898.68 -738.88,-864.23 ; DT10.1@-670.28,-1644.78 -670.28,-1780.28 -780,-1890 ; v1(-599.21,-674.92) -712.5,-788.22 -712.5,-864.23 ; RX11.2@-546.06,-1058.9 -546.06,-893.17 -575,-864.23 ; DT11.1@-510.28,-1644.78 -515.5,-1650 -515.5,-1805.5 -600,-1890 ; v1@-441.61,-672.33 -385,-728.94 -385,-864.23 ; RX12.2@-387.69,-1058.9 -387.69,-903.36 -426.81,-864.23 ; DT12.1@-350.28,-1644.78 -354.38,-1644.78 -365.5,-1655.9 -365.5,-1790.5 -465,-1890 ; v1(-286.67,-681.05) -280.56,-681.05 -234.69,-726.92 -234.69,-864.23 ; RX13.2@-229.32,-1058.9 -229.32,-894.91 -260,-864.23 ; DT13.1@-190.28,-1644.78 -190.28,-1749.42 -253.89,-1813.03 -253.89,-1838.89 -305,-1890 ; v1@-122.81,-678.34 -79.69,-721.46 -79.69,-864.23 ; RX14.2@-70.95,-1058.9 -70.95,-906.29 -113,-864.23 ; DT14.1@-30.28,-1644.78 -30.28,-1739.42 -103.27,-1812.41 -103.27,-1836.01 -157.26,-1890 ; v1(26.02,-674.92) 75.31,-724.21 75.31,-864.23 ; 67.65,-871.89 81.22,-885.45 81.22,-1052.7 RX15.2@87.42,-1058.9 ; DT15.1@129.72,-1644.78 129.72,-1729.42 52.86,-1806.28 52.86,-1832.14 -5,-1890 ; v1(180,-679.13) 225,-724.13 225,-730 ; RX16.2@245.79,-1058.9 245.79,-885.02 225,-864.23 ; DT16.1@289.72,-1644.78 289.72,-1719.42 210.36,-1798.78 210.36,-1829.64 150,-1890 ; v1@328.5,-672.18 328.5,-697.66 296.16,-730 225,-730 ; RX17.2@404.16,-1058.9 404.16,-902.07 366.33,-864.23 ; DT17.1@449.72,-1644.78 449.72,-1709.42 375.36,-1783.78 375.36,-1834.64 320,-1890 ; v1(485.79,-674.92) 485.79,-689.92 370.29,-805.43 370.29,-841.9 366.33,-845.87 366.33,-864.23 ; RX18.2@562.53,-1058.9 562.53,-891.77 535,-864.23 ; DT18.1@609.72,-1644.78 603.24,-1651.26 603.24,-1705.9 527.86,-1781.28 527.86,-1827.14 465,-1890 ; v1@642.26,-690 623.26,-690 576.55,-736.71 576.55,-810.78 523.1,-864.23 ; RX19.2@720.9,-1058.9 720.9,-890.14 695,-864.23 ; DT19.1@769.72,-1644.78 761.84,-1644.78 705.82,-1700.8 705.82,-1732.56 675,-1763.38 675,-1847.26 632.26,-1890 ; v1(800.22,-675) 812.33,-675 860,-722.67 860,-864.23 ; RX20.2@879.27,-1058.9 879.27,-883.51 860,-864.23 ; DT20.1@929.72,-1644.78 929.72,-1798.85 838.56,-1890 ; v1(997.18,-705) 1009.68,-717.49 1009.68,-864.23 ; RX21.2@1037.65,-1058.9 1037.65,-892.2 1009.68,-864.23 ; DT21.1@1089.72,-1644.78 1083.23,-1651.26 1083.23,-1831.77 1025,-1890 ; v1@1112.13,-674.84 1163.01,-725.73 1163.01,-864.23 ; 1165,-1890 1295,-1890 ; RX22.2@1196.02,-1058.9 1196.02,-897.23 1163.01,-864.23 ; DT22.1@1249.72,-1644.78 1244.36,-1644.78 1211.79,-1677.34 1211.79,-1833.21 1155,-1890 1025,-1890 ; v1@1271,-687.72 1345,-761.72 1345,-864.23 ; RX23.2@1354.39,-1058.9 1354.39,-911.17 1307.45,-864.23 ; DT23.1@1409.72,-1644.78 1409.72,-1724.65 1369.04,-1765.32 1369.04,-1815.96 1295,-1890 ; v1(1420.5,-668.26) 1502.5,-750.26 ; RX24.2@1512.76,-1058.9 1512.76,-904.05 1472.94,-864.23 ; DT24.1@1569.72,-1644.78 1569.72,-1860.28 1540,-1890 1295,-1890 ; 1572.22,-1862.78 1710,-1725 1710,-957.76 1502.5,-750.26 ; -2310,-864.23 -2115.82,-864.23 ; -2115.82,-864.23 -1992.53,-864.23 ; -1992.53,-864.23 -1974.33,-864.23 -1940.09,-830 ; -1955,-1890 -1854.19,-1890 ; -1940.09,-830 -1905.86,-864.23 -1840,-864.23 ; -1854.19,-1890 -1715,-1890 ; -1840,-864.23 -1800,-864.23 ; -1800,-864.23 -1681.55,-864.23 ; -1715,-1890 -1565,-1890 ; -1681.55,-864.23 -1655,-864.23 ; -1655,-864.23 -1523.62,-864.23 ; -1565,-1890 -1430,-1890 ; -1523.62,-864.23 -1355,-864.23 ; -1430,-1890 -1305,-1890 ; -1355,-864.23 -1327.65,-864.23 ; -1327.65,-864.23 -1210,-864.23 ; -1305,-1890 -1155,-1890 ; -1210,-864.23 -1167.87,-864.23 ; -1167.87,-864.23 -1067.28,-864.23 ; -1155,-1890 -990,-1890 ; -1067.28,-864.23 -1020,-864.23 ; -1020,-864.23 -1020,-725 ; -1020,-864.23 -905,-864.23 ; -990,-1890 -780,-1890 ; -905,-864.23 -738.88,-864.23 ; -780,-1890 -600,-1890 ; -738.88,-864.23 -712.5,-864.23 ; -712.5,-864.23 -575,-864.23 ; -600,-1890 -465,-1890 ; -575,-864.23 -426.81,-864.23 ; -465,-1890 -305,-1890 ; -426.81,-864.23 -385,-864.23 ; -385,-864.23 -260,-864.23 ; -305,-1890 -157.26,-1890 ; -260,-864.23 -234.69,-864.23 ; -234.69,-864.23 -113,-864.23 ; -157.26,-1890 -5,-1890 ; -113,-864.23 -79.69,-864.23 ; -79.69,-864.23 75.31,-864.23 ; -5,-1890 150,-1890 ; 75.31,-864.23 225,-864.23 ; 150,-1890 320,-1890 ; 225,-864.23 225,-730 ; 225,-864.23 366.33,-864.23 ; 320,-1890 465,-1890 ; 366.33,-864.23 523.1,-864.23 ; 465,-1890 632.26,-1890 ; 523.1,-864.23 535,-864.23 ; 535,-864.23 695,-864.23 ; 632.26,-1890 838.56,-1890 ; 695,-864.23 860,-864.23 ; 838.56,-1890 1025,-1890 ; 860,-864.23 1009.68,-864.23 ; 1009.68,-864.23 1163.01,-864.23 ; 1163.01,-864.23 1307.45,-864.23 ; 1307.45,-864.23 1345,-864.23 ; 1345,-864.23 1472.94,-864.23 ; 1472.94,-864.23 1502.5,-864.23 1502.5,-750.26
  Bottom Layer w50: CIN.1@-2264.45,1708.78 -2268.98,1713.31 -2330.16,1713.31 -2370,1753.15 -2370,1988.27 CIN.9@-2213.27,2145 -2192.71,2145 -2139.83,2197.87 -66.03,2197.87 -53.15,2185 325,2185 v1@345,2205 ; JLink.1@-2155,660.17 -2144.57,670.61 -2114.39,670.61 -1910,875 v2@-1645,1140 ; v1(-471.66,978.12) -408.54,915 44.92,915 177.8,1047.88 CM20.2@177.8,1052.88
  other v1: 646.61,-690 1266.61,-679.84 -2149.21,-674.92 -1219.21,-674.92 -444.21,-674.92 330.79,-674.92 1105.79,-674.92 -910,-673.34 -1060,-672.18 -128.39,-672.18 -1403.58,246.66 -471.66,2198.87 347.68,2202.32